# Altium PCB precursor_pvt2b.PcbDoc (part 7 of 7)
Units mm, origin at the board's own origin, x right, y up, seen from the top; angles counter-clockwise.
Board outline 62.8 x 62.65 mm, 6 copper layers (L1, L2, L3, L6, L7, L8), stack 0.693 mm thick; 424 components, 311 nets, 2038 pads, 2293 vias.
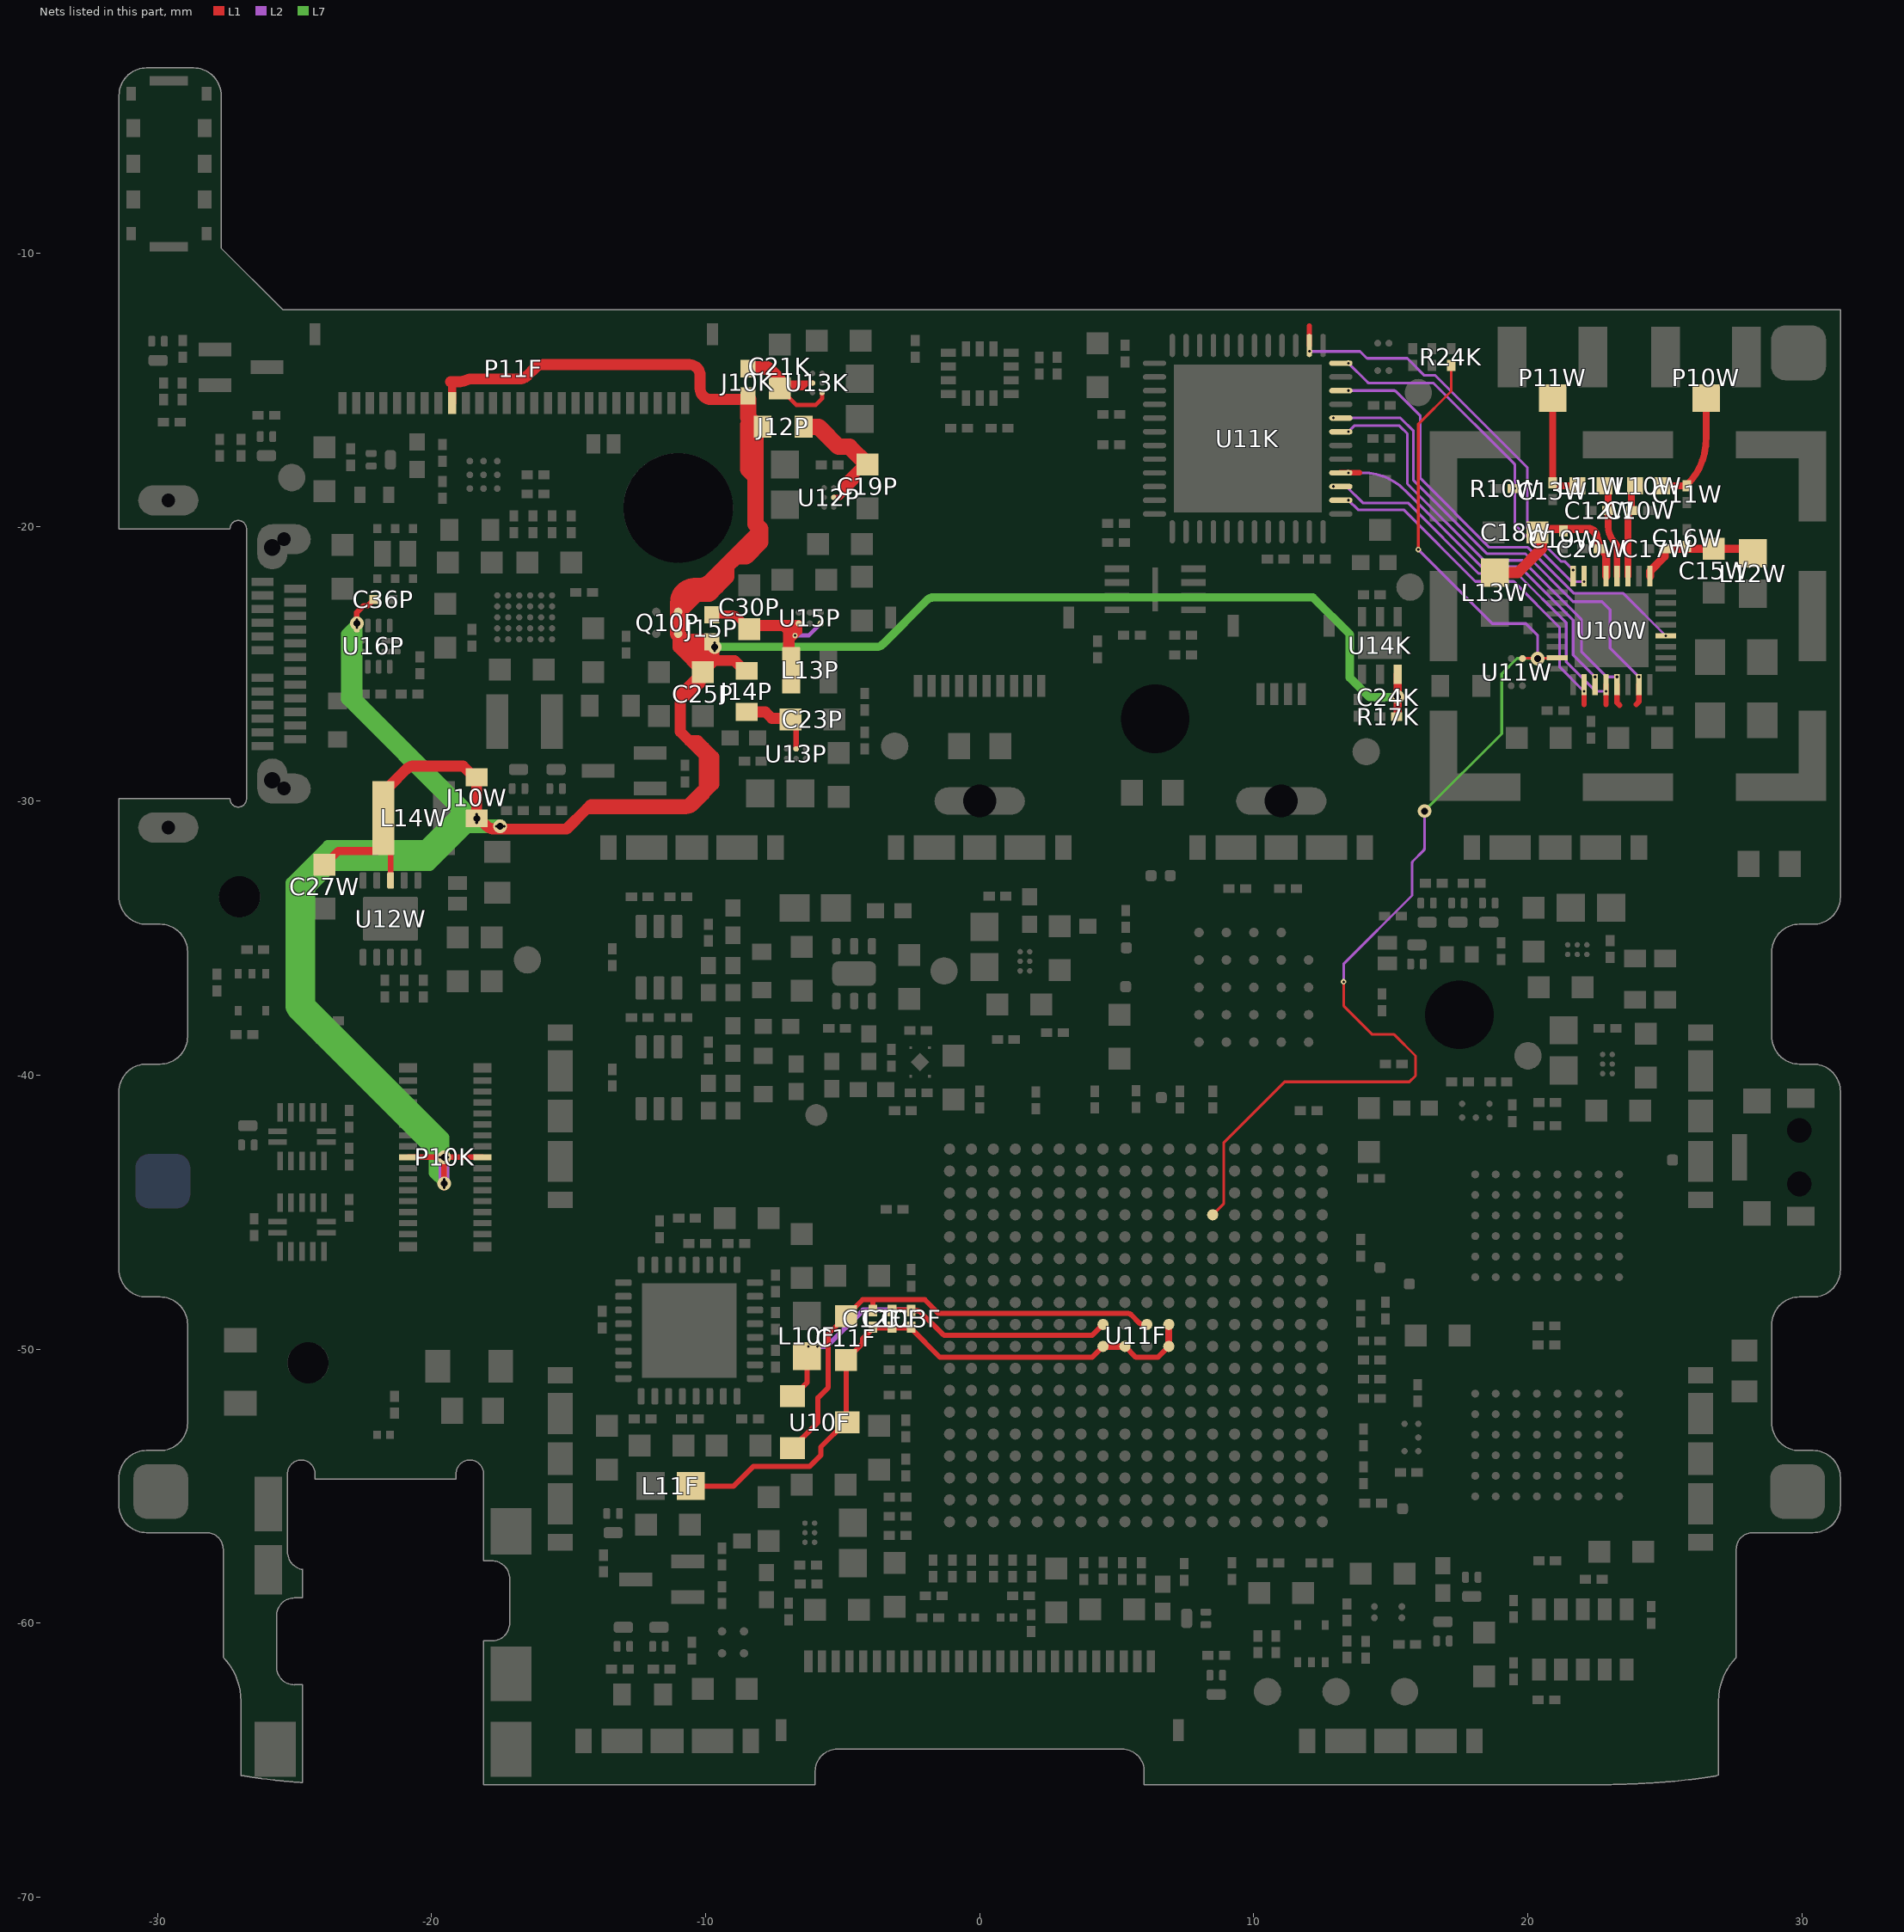
[diagram p11: the nets of this part, all layers, seen from the top]

## Via types
v1: diameter 0.2, hole 0.1, L1 to L2, tented both sides, 1440 vias
v2: diameter 0.5, hole 0.25, L2 to L7, tented both sides, 638 vias
v3: diameter 0.2, hole 0.1, L7 to L8, tented both sides, 179 vias
v4: diameter 0.5, hole 0.25, L1 to L8, 25 vias
v5: diameter 0.5, hole 0.25, L1 to L8, tented top, 5 vias
v6: diameter 0.5, hole 0.2, L1 to L8, 4 vias
v7: diameter 0.4, hole 0.25, L1 to L8, 2 vias

## Nets (pads, with @x,y where several pads share a name; then routed paths per layer and width w, separated by ;. In a path a pad name is that pad's centre, name@x,y a point inside that pad or via, vN(x,y) a via of type N, cw(c..) or ccw(c..) an arc to the next point about the centre after c; other vN are vias at no path point) (continued)
VSYS_U: C19P.1 C21K.1 C23P.1 C24K.1 C25P.1 C27W.1 C30P.1 C36P.1 J10K.1 J10W.1 J12P.1 J14P.1 J15P.1 L13P.1 L14W.1 P10K.8 P10K.23 P11F.9 Q10P.2 Q10P.3 R17K.1 U12P.B1 U12W.8 U13K.B1 U13K.C2 U13P.B1 U14K.6 U15P.A1 U15P.C1 U16P.12 | length 213.9
  L1 w0.15: C21K.1@-7.3,-14.95 -6.7,-15.55 -5.975,-15.55 -5.75,-15.325 U13K.C2@-5.75,-15.1
  L1 w0.2: U16P.12@-22.725,-23.6 v1(-22.725,-23.376) -22.725,-23.125 -22.475,-22.875 -22.325,-22.875 -22.1,-22.65 C36P.1@-22.075,-22.65 ; L14W.1@-21.975,-31.7 -21.75,-31.475 L14W.1@-21.75,-30.625 -21.496,-30.879 U12W.8@-21.496,-32.9 ; P10K.23@-20.855,-43 v1(-19.692,-43) v2(-19.542,-43) ; v1(-19.542,-44.108) v1(-19.542,-43.808) v2(-19.542,-43) ; P10K.8@-18.145,-43 v1(-19.392,-43) v2(-19.542,-43) ; C21K.1@-7.3,-14.95 C21K.1@-7.275,-14.925 ; C23P.1@-6.9,-27.025 -6.7,-27.225 U13P.B1@-6.7,-28.1 ; U13K.B1@-6.1,-14.75 -6.302,-14.75 ; U12P.B1@-5.325,-18.925 -5.1,-18.925 -4.98,-18.805 ; C19P.1@-4.42,-17.809 -4.434,-17.809 -4.98,-18.355 -4.98,-18.58 ; C19P.1@-4.1,-17.725 -4.5,-18.125 ; C24K.1@15.238,-26.213 C24K.1@15.25,-26.2 ; C21K.1@-7.275,-14.925 -7.1,-14.75 -6.302,-14.75 ; C21K.1@-7.275,-14.925 -6.477,-14.925 -6.302,-14.75 ; -4.98,-18.805 -4.5,-18.325 -4.5,-18.125 ; -4.98,-18.805 -4.98,-18.58 ; -4.98,-18.58 -4.708,-18.308 -4.683,-18.308 -4.5,-18.125
  L1 w0.25: -7.512,-23.525 -8.425,-23.525 -8.5,-23.6 -8.425,-23.675 -7.362,-23.675 ; -7.512,-23.525 U15P.A1@-6.6,-23.525 -6.6,-23.675 ; -7.512,-23.525 -7.362,-23.675 ; -7.362,-23.675 -7.187,-23.675 ; -7.187,-23.675 -7.042,-23.82 ; -7.187,-23.675 -6.7,-23.675 ; -7.05,-24.275 -7.05,-23.829 -7.042,-23.82 ; -7.05,-24.275 -7.05,-25.05 L13P.1@-6.875,-25.225 -6.875,-24.1 ; -7.05,-24.275 -6.875,-24.1 ; -7.042,-23.82 -6.896,-23.965 ; -6.896,-23.965 -6.896,-23.871 -6.7,-23.675 ; -6.896,-23.965 -6.875,-23.987 -6.875,-24.1 ; -6.896,-23.965 -6.896,-24.079 -6.875,-24.1 ; -6.875,-24.1 v1(-6.737,-23.963) -6.6,-23.825 -6.6,-23.675 ; -6.7,-23.675 -6.6,-23.675
  L1 w0.3: C27W.1@-23.9,-32.325 -23.395,-31.82 -22,-31.82 -21.975,-31.795 L14W.1@-21.975,-31.7 ; -19.3,-14.7 -19.25,-14.75 P11F.9@-19.25,-15.475 ; J15P.1@-9.679,-23.2 -9.049,-23.2 cw(c-9.049,-23.5) -8.836,-23.288 C30P.1@-8.685,-23.439 ; R17K.1@15.225,-26.925 15.24,-26.925 15.25,-26.915 15.25,-26.225 15.25,-26.2 U14K.6@15.25,-25.375
  L1 w0.4: L14W.1@-21.75,-30.625 -21.75,-29.675 L14W.1@-21.55,-29.475 ; L14W.1@-21.549,-29.474 -20.917,-28.842 cw(c-20.634,-29.125) -20.636,-28.725 -20.634,-28.725 -18.85,-28.725 -18.35,-29.225 v1(-18.35,-30.488) -18.35,-30.55 -17.992,-30.908 -17.991,-30.909 ccw(c-17.709,-30.625) -17.709,-31.025 -15.075,-31.025 -14.328,-30.278 ; -19.3,-14.7 -18.965,-14.7 ccw(c-18.965,-14.3) -18.838,-14.679 -18.663,-14.621 cw(c-18.535,-15) -18.534,-14.6 -16.791,-14.6 ccw(c-16.791,-14.2) -16.508,-14.483 -16.218,-14.193 cw(c-15.934,-14.475) -15.934,-14.075 -10.599,-14.075 cw(c-10.6,-14.475) -10.2,-14.475 -10.2,-14.95 ccw(c-9.8,-14.95) -9.8,-15.35 J10K.1@-8.45,-15.35 ; -10.775,-24.325 -10.7,-24.325 -10.125,-24.9 C25P.1@-9.7,-24.9 ; -10.163,-29.637 -10.657,-30.131 -14.181,-30.131 -14.328,-30.278 ; -10.05,-29.524 -10.05,-28.35 ; J15P.1@-9.725,-24.275 -9.725,-24.273 -9.731,-24.255 ccw(c-10.111,-24.38) -9.829,-24.096 -10.504,-24.096 ; J15P.1@-9.7,-24.255 C25P.1@-9.7,-24.9 ; J14P.1@-8.5,-26.75 -7.82,-26.75 -7.58,-26.99 -6.935,-26.99 C23P.1@-6.9,-27.025 ; J14P.1@-8.5,-25.25 -8.575,-25.25 -8.95,-24.875 -9.675,-24.875 C25P.1@-9.7,-24.9 ; C21K.1@-7.375,-15.025 C21K.1@-7.3,-14.95 ; C19P.1@-4.1,-17.725 C19P.1@-4.075,-17.75 ; -14.328,-30.278 -13.763,-30.278 -10.718,-30.278 ccw(c-10.718,-29.878) -10.435,-30.16 -10.05,-29.775 -10.05,-29.75 -9.7,-29.4 -9.7,-28.7 ; -10.925,-26.125 -10.625,-26.125 -10.2,-25.7 C25P.1@-10.2,-25.4 ; -10.925,-26.125 C25P.1@-10.2,-25.4 ; -10.925,-26.125 -10.925,-27.475 -10.6,-27.8 ; -10.6,-27.8 -10.284,-27.8 -10.05,-28.034 ; -10.6,-27.8 -10.05,-28.35 ; -10.504,-24.096 C25P.1@-9.7,-24.9 ; -10.504,-24.096 -10.804,-24.096 Q10P.3@-11,-23.9 -11,-24.4 C25P.1@-10.1,-25.3 ; C25P.1@-10.2,-25.4 C25P.1@-10.1,-25.3 ; C25P.1@-10.1,-25.3 C25P.1@-9.7,-24.9 ; -10.05,-28.35 -9.7,-28.7 ; -10.05,-28.35 -10.05,-28.034 ; -10.05,-28.034 -9.7,-28.384 -9.7,-28.7
  L1 w0.5: J10K.1@-8.3,-14.2 -7.75,-14.2 -7.3,-14.65 C21K.1@-7.3,-14.95
  L1 w0.6: Q10P.3@-11,-23.9 Q10P.2@-11,-23.1 ; -9.875,-22.162 -9.601,-22.162 ; -8.45,-16.275 -8.45,-17.9 -8.175,-18.175 ; J10K.1@-8.45,-15.35 -8.45,-16 -8.175,-16.275 -8.175,-18.175 ; -8.175,-20.35 -8.9,-21.075 ; J12P.1@-6.425,-16.35 -5.875,-16.35 -5.15,-17.075 -4.75,-17.075 C19P.1@-4.1,-17.725 ; Q10P.2@-11,-23.1 -11,-22.762 cw(c-10.4,-22.762) -10.4,-22.162 -10.236,-22.162 ccw(c-10.236,-21.562) -9.811,-21.986 -9.25,-21.425 ; Q10P.2@-11,-23.1 -10.335,-22.435 -9.875,-22.435 -9.601,-22.162 ; -9.601,-22.162 -9.25,-21.811 -9.25,-21.425 ; -9.25,-21.425 -8.9,-21.075 ; -8.9,-21.075 -8.526,-21.075 -8.012,-20.56 -8.012,-20.063 -8.175,-19.9 -8.175,-18.175
  L2 w0.15: v1(-6.737,-23.963) -6.238,-23.963 v1(-5.8,-23.525)
  L2 w0.4: v2(-19.542,-43.958) v1(-19.542,-43.808) v2(-19.542,-43)
  L7 w0.3: v2@-9.65,-24.375 -3.749,-24.375 ccw(c-3.749,-24.075) -3.537,-24.287 -1.913,-22.663 cw(c-1.701,-22.875) -1.701,-22.575 12.157,-22.575 13.5,-23.918 13.5,-25.5 14.206,-26.206 v2(15.244,-26.206)
  L7 w0.4: v2@-22.725,-23.6 -22.725,-26.263 -18.544,-30.444 ; v2(-22.725,-23.526) -23.1,-23.901 -23.1,-26.3 -19.013,-30.387 ; -19.9,-42.615 -19.9,-42.4 -24.8,-37.5 -24.8,-33.1 -23.7,-32 -20.2,-32 -19.013,-30.813 ; -19.784,-42.73 -19.55,-42.965 -19.55,-42.275 -24.45,-37.375 -24.45,-33.2 -23.6,-32.35 -20.062,-32.35 -18.635,-30.922 v2(-18.35,-30.638) -18.544,-30.444 ; v2(-19.542,-43.958) v2@-19.542,-43.931 ; v2(-19.542,-43) v2@-19.542,-43.931 ; v2@-19.542,-43.931 -19.9,-43.573 -19.9,-42.846 -20.016,-42.73 -25.008,-37.738 cw(c-24.725,-37.455) -25.125,-37.455 -25.125,-32.975 -23.775,-31.625 -20.252,-31.625 -19.013,-30.387 ; -19.013,-30.813 -18.644,-30.444 -18.544,-30.444 ; -19.013,-30.813 -19.013,-30.387
  L7 w0.5: -19.013,-30.813 -18.905,-30.922 -18.635,-30.922 v2(-17.493,-30.922)
  other v1: -17.643,-30.922 -17.343,-30.922 -18.35,-30.788 15.244,-26.356 15.244,-26.056 -9.669,-24.526 -9.669,-24.226 -22.725,-23.676
  other v2: -9.669,-24.376
WIFI_CIPO: U10W.28 U11K.27 | length 14.6
  L1 w0.2: 22.85,-26.475 U10W.28@22.85,-25.755
  L2 w0.1: v1(12.9,-18.525) 13.375,-18.525 13.975,-19.125 15.625,-19.125 18.2,-21.7 19.6,-21.7 21.4,-23.5 21.4,-24.925 22.475,-26 v1(22.85,-26)
WIFI_COPI: U10W.27 U11K.28 | length 13.5
  L1 w0.2: U11K.28@13.139,-18.027 13.859,-18.027
  L2 w0.1: v1(13.45,-18.025) 13.979,-18.025 ; 13.98,-18.025 cw(c13.98,-20.186) 15.507,-18.657 15.509,-18.659 18.302,-21.452 19.702,-21.452 21.65,-23.4 21.65,-24.675 v1(22.45,-25.475)
WIFI_CS: U10W.31 U11K.32 | length 17.7
  L1 w0.2: 23.95,-26.475 24.05,-26.375 U10W.31@24.05,-25.755
  L2 w0.1: v1(12.9,-16.025) 15.35,-16.025 15.825,-16.5 15.825,-18.3 18.5,-20.975 19.9,-20.975 21.65,-22.725 22.7,-22.725 23,-23.025 23,-24.425 v1(24.05,-25.475)
WIFI_LPCLK: R24K.1 U10W.23 U11F.N15 U11W.2 | length 45.9
  L1 w0.1: U11F.N15@8.5,-45.1 8.9,-44.7 8.9,-42.475 11.125,-40.25 15.675,-40.25 15.9,-40.025 15.9,-39.3 15.118,-38.518 14.318,-38.518 13.304,-37.504 cw(c13.375,-37.434) 13.275,-37.434 v1(13.275,-36.6) ; v1(16,-20.825) 16,-16.25 17.2,-15.05 R24K.1@17.2,-14.125 ; U11W.2@19.8,-24.8 19.812,-24.787 21.057,-24.787 U10W.23@21.07,-24.775
  L2 w0.1: v1(13.275,-36.6) 13.275,-35.95 15.775,-33.45 15.775,-32.266 cw(c15.875,-32.266) 15.804,-32.196 16.196,-31.804 ccw(c16.125,-31.734) 16.225,-31.734 v2(16.225,-30.368) ; v1(16,-20.825) 18.7,-23.525 19.925,-23.525 20.35,-23.95 v2(20.35,-24.8)
  L7 w0.1: v2(16.225,-30.368) 19.042,-27.551 19.042,-25.358 19.6,-24.8 v2(20.35,-24.8)
  other v1: 16.225,-30.368 20.35,-24.8
WIFI_PA: C18W.1 C19W.1 C20W.1 L13W.1 U10W.13 | length 6.4
  L1 w0.3: C18W.1@20.5,-20.2 20.5,-20.175 20.6,-20.075 21.3,-20.075 22.201,-20.075 cw(c22.201,-20.375) 22.491,-20.299 22.625,-20.8 22.65,-20.8 22.85,-21 U10W.13@22.85,-21.795
  L1 w0.4: L13W.1@18.8,-21.665 19.635,-21.665 20.5,-20.8 C18W.1@20.5,-20.2
WIFI_PA_ENABLE: U10W.4 U11K.34 | length 16.6
  L2 w0.1: v1(13.45,-15.025) 15.109,-15.025 cw(c15.109,-15.125) 15.179,-15.054 16.075,-15.95 16.075,-18.225 18.595,-20.745 19.995,-20.745 21.675,-22.425 23.48,-22.425 v1(25.03,-23.975)
WIFI_RES_N: R10W.2 U10W.15 U11K.36 | length 13.2
  L2 w0.1: v1(13.45,-14.025) 14.146,-14.721 ccw(c14.216,-14.65) 14.216,-14.75 16.556,-14.75 19.496,-17.69 cw(c19.425,-17.761) 19.525,-17.761 v1(19.525,-18.598) 19.525,-19.884 ccw(c19.625,-19.884) 19.554,-19.954 21.6,-22 v1(22.05,-22)
WIFI_RF: C15W.1 C16W.1 C17W.1 L12W.1 U10W.9 | length 4.5
  L1 w0.3: U10W.9@24.45,-21.795 24.45,-21.615 24.99,-21.075 24.99,-20.81 25,-20.8 25.025,-20.8 28.035,-20.8 L12W.1@28.2,-20.965
WIFI_RF1: C10W.1 L10W.1 U10W.11 | length 3.4
  L1 w0.243: U10W.11@23.65,-21.795 23.65,-19.702 cw(c24.077,-19.702) 23.775,-19.4 23.775,-18.826 cw(c24.236,-18.826) L10W.1@23.91,-18.5
WIFI_RF1L: C11W.1 L10W.2 P10W.SIG | length 4.3
  L1 w0.243: L10W.2@24.89,-18.5 25.74,-18.5 ccw(c25.74,-18.415) 25.8,-18.475 ccw(c24.11,-16.785) 26.5,-16.785 P10W.SIG@26.5,-15.3
WIFI_RF2: C12W.1 L11W.1 U10W.12 | length 3.4
  L1 w0.243: L11W.1@22.79,-18.5 cw(c22.464,-18.826) 22.925,-18.826 22.925,-19.4 22.925,-19.971 ccw(c23.779,-19.971) 23.175,-20.575 cw(c22.994,-20.756) 23.25,-20.756 U10W.12@23.25,-21.795
WIFI_RF2L: C13W.1 L11W.2 P11W.SIG | length 4
  L1 w0.243: P11W.SIG@20.9,-15.3 20.9,-18.375 ccw(c21.202,-18.073) 21.202,-18.5 L11W.2@21.81,-18.5
WIFI_SCLK: U10W.26 U11K.26 | length 13.1
  L1 w0.2: 22.05,-26.475 U10W.26@22.05,-25.755
  L2 w0.1: v1(13.45,-19.025) 13.8,-19.375 15.466,-19.375 18.08,-21.989 19.48,-21.989 21.15,-23.659 21.15,-25.1 v1(22.05,-26)
WIFI_WIRQ: U10W.29 U11K.31 | length 16.2
  L1 w0.2: U10W.29@23.25,-25.755 23.25,-26.412 23.34,-26.502
  L2 w0.1: v1(13.45,-16.525) 13.646,-16.329 cw(c13.716,-16.4) 13.716,-16.3 15.259,-16.3 cw(c15.259,-16.4) 15.329,-16.329 15.6,-16.6 15.6,-18.425 18.397,-21.222 19.797,-21.222 21.95,-23.375 21.95,-24.55 22.875,-25.475 v1(23.25,-25.475)
WIFI_WUP: U10W.16 U11K.38 | length 14.9
  L1 w0.2: U11K.38@12.026,-13.377 12.026,-12.676
  L2 w0.1: v1(12.031,-13.592) 12.039,-13.6 13.876,-13.6 14.096,-13.821 ccw(c14.167,-13.75) 14.167,-13.85 15.6,-13.85 16.221,-14.471 16.621,-14.471 19.975,-17.825 19.975,-20.031 21.203,-21.258 21.333,-21.258 v1(21.65,-21.575)
XADC_GND: C10F.2 C11F.2 C12F.2 C13F.2 L11F.2 U10F.3 U11F.H9 U11F.J9 U11F.L9 U11F.L10 | length 23.2
  L1 w0.19: L11F.2@-10.54,-55 -8.975,-55 -8.25,-54.275 -6.2,-54.275 -5.8,-53.875 -5.8,-53.575 -4.9,-52.675 -4.85,-52.675 -4.875,-52.65 C11F.2@-4.875,-50.4 -4.267,-49.793 -4.267,-49.617 -3.9,-49.25 -3.9,-49.225 -2.5,-49.225 -2.5,-49.25 -1.45,-50.3 0.274,-50.3 0.334,-50.3 4.1,-50.3 U11F.H9@4.5,-49.9 ; U11F.J9@5.3,-49.9 5.7,-50.3 6.5,-50.3 U11F.L9@6.9,-49.9
  L1 w0.25: U11F.H9@4.5,-49.9 U11F.J9@5.3,-49.9 ; U11F.L9@6.9,-49.9 U11F.L10@6.9,-49.1
XADC_VDD: C10F.1 C13F.1 L10F.2 U10F.1 U11F.H10 | length 14.2
  L1 w0.19: U10F.1@-6.85,-51.725 -6.8,-51.725 -6.3,-51.225 L10F.2@-6.3,-50.26 ; v1(-3.2,-48.575) v1(-2.5,-48.575) ; C13F.1@-2.5,-48.595 -2.29,-48.595 cw(c-2.29,-48.785) -2.155,-48.651 -1.362,-49.444 ccw(c-1.228,-49.31) -1.228,-49.5 2.753,-49.5 4.1,-49.5 U11F.H10@4.5,-49.1
  L2 w0.19: v1(-6.25,-49.9) v1(-5.925,-49.9) -5.575,-49.9 -4.25,-48.575 v1(-3.2,-48.575) v1(-2.5,-48.575)
XADC_VREF: C11F.1 C12F.1 U10F.2 U11F.K10 | length 17.6
  L1 w0.19: U10F.2@-6.8,-53.625 -6.495,-53.32 -6.495,-53.27 -5.9,-52.675 -5.9,-51.775 -5.525,-51.4 -5.525,-49.45 C11F.1@-4.875,-48.8 -4.27,-48.195 -3.895,-48.195 ; C12F.1@-3.9,-48.575 -3.9,-48.2 -3.895,-48.195 ; U11F.K10@6.1,-49.1 5.954,-49.1 cw(c5.954,-48.91) 5.819,-49.044 5.531,-48.756 ccw(c5.396,-48.89) 5.396,-48.7 1.134,-48.7 -0.2,-48.7 -1.5,-48.7 -2.005,-48.195 -3.895,-48.195
pads on no net: P10K.0 P10P.A2 P10P.A3 P10P.A8 P10P.A10 P10P.A11 P10P.B2 P10P.B3 P10P.B8 P10P.B10 P10P.B11 P10U.5 P10U.6 P11F.0 P11P.0 P12F.0 P12F.10 P12F.15 P12W.0 P13W.0 SW10K.0 SW10K.1 U10K.9 U10U.13 U10U.15 U10U.32 U10W.1 U10W.2 U10W.3 U10W.5 U10W.6 U10W.17 U10W.18 U10W.19 U10W.20 U10W.21 U10W.22 U10W.24 U11F.A6 U11F.A9 U11F.A10 U11F.A11 U11F.B11 U11F.C9 U11F.C10 U11F.C11 U11F.D2 U11F.D5 U11F.D6 U11F.D10 U11F.D11 U11F.E1 U11F.E2 U11F.E3 U11F.E4 U11F.E5 U11F.E6 U11F.F1 U11F.F3 U11F.F4 U11F.F5 U11F.F6 U11F.G1 U11F.G5 U11F.G6 U11F.G16 U11F.H2 U11F.H3 U11F.H4 U11F.H5 U11F.H6 U11F.H13 U11F.J1 U11F.J2 U11F.J3 U11F.J4 U11F.J5 U11F.J13 U11F.J15 U11F.J16 U11F.K13 U11F.K14 U11F.K16 U11F.N13 U11F.P13 U11F.R11 U11F.R12 U11F.T11 U11F.T12 U11K.39 U11K.40 U11K.41 U11R.0 U12M.A2 U12M.A3 U12M.B1 U12M.B5 U12M.C5 U14K.2 U14W.9 U14W.10 U14W.11 U17P.B5 U17P.D4 U17P.D5 U18F.5 U18F.9 U18F.10 Y10W.2 Y10W.4

## Polygon pours and split planes (outlines as drawn)
VSYS_T on L7 "VSYS_T_L05_P002" (solid, remove dead copper, pour order 2): -9.85,-58.325 -8.664,-58.325 ccw(c-8.664,-57.386) -8,-58.05 ccw(c-9.293,-56.305) -7.145,-56.625 -7.145,-54.17 cw(c0.44,-54.062) -5,-48.775 ccw(c-9.582,-46.557) -4.5,-46.851 -4.5,-40.038 cw(c-2.537,-40.038) -3.925,-38.65 cw(c-3.261,-39.314) -3.261,-38.375 -0.427,-38.375 ccw(c-0.427,-35.835) 1.369,-37.631 2.025,-36.975 cw(c3.172,-38.122) 3.172,-36.5 13.556,-36.5 ccw(c13.64,-34.846) 14.75,-36.075 cw(c15.6,-37.102) 15.725,-35.775 18.375,-35.775 cw(c18.056,-37.567) 19.549,-36.526 19.777,-36.975 ccw(c20.348,-36.108) 20.557,-37.125 23.55,-37.125 ccw(c23.55,-36.22) 24.19,-36.86 ccw(c23.442,-36.112) 24.5,-36.112 24.5,-34.27 ccw(c23.306,-34.27) 24.15,-33.425 ccw(c23.849,-33.726) 23.848,-33.3 15.061,-33.3 ccw(c15.061,-34.836) 13.975,-33.75 13.916,-33.809 cw(c12.55,-32.444) 12.55,-34.375 7.499,-34.375 cw(c7.499,-33.351) 6.775,-34.075 ccw(c6.353,-34.497) 6.353,-33.9 3.785,-33.9 ccw(c3.784,-35.009) 3,-34.225 cw(c1.853,-33.079) 1.853,-34.7 1.377,-34.7 ccw(c1.377,-37.239) -0.419,-35.444 -1.939,-36.964 cw(c-2.75,-36.154) -2.75,-37.3 -4.578,-37.3 ccw(c-4.578,-37.897) -5,-37.475 -5.392,-37.867 ccw(c-3.984,-39.275) -5.975,-39.275 -5.975,-45.448 cw(c-6.401,-45.449) -6.1,-45.75 -9.198,-48.848 ccw(c-8.772,-49.275) -9.375,-49.275 -9.375,-55.259 cw(c-9.716,-55.259) -9.475,-55.5 -10.137,-56.162 ccw(c-9.924,-56.375) -10.225,-56.375 -10.225,-57.994 ccw(c-9.969,-57.994) -10.15,-58.175 -10.106,-58.219 ccw(c-9.85,-57.963)
P0.95V_T on L7 "P0.95V_T_L05_P000" (solid, remove dead copper, pour order 0): -0.625,-52 0.45,-50.925 0.45,-47.875 1.45,-46.875 9.55,-46.875 10.375,-47.7 10.375,-50.425 9.55,-51.25 9.55,-51.9 8.775,-52.675 7.5,-52.675 6.9,-52.075 5.55,-52.075 4.575,-53.05 4.575,-57.225 3.95,-57.85 3.95,-58.825 4.475,-59.35 4.475,-59.9 2.2,-59.9 1.825,-59.525 -2.175,-59.525 -4.3,-57.4 -5.025,-57.4 -5.825,-56.6 -5.825,-55.65 -4.725,-54.55 -4.725,-53.425 -3.3,-52
PACK_P on L2 "PACK_P_L02_P005" (solid, remove dead copper, pour order 5): -30,-8 -30.75,-8.75 -30.75,-11 -29.5,-12.25 -28.25,-12.25 -28,-12 -28,-9 -29,-8
P3.3V_A on L2 "P3.3V_A_L02_P001" (solid, remove dead copper, pour order 1): 0.275,-51.925 -0.7,-51.925 -1.525,-52.75 -1.525,-54.3 0.75,-56.575 2.451,-56.575 3.975,-55.051 3.975,-53.649 2.756,-52.43 0.78,-52.43
GND on L8 "GND_L06_P003" (solid, remove dead copper, pour order 3): -32.025,-3.025 -31.175,-2.175 31.4,-2.175 31.4,-64.025 29.55,-65.875 -30.025,-65.875 -31.45,-64.45 -31.35,-64.35 -31.35,-3.7
PACK_P on L1 "PACK_P_L01_P004" (solid, remove dead copper, pour order 4): -31,-7.6 -31,-10.45 -29.25,-12.2 -27.825,-12.2 -26.563,-10.938 -27.5,-10 -27.5,-7.727 -27.627,-7.6
P1.8V on L6 (split plane): 1372 vertices, not listed, extent -31.149,-65.648 31.149,-3.501
P3.3V on L6 (split plane): -13.327,-15.867 -13.327,-16.633 -15.092,-18.398 -20.525,-18.398 -20.564,-18.406 -20.597,-18.428 -20.972,-18.803 -20.994,-18.836 -21.002,-18.875 -21.002,-37.1 -20.994,-37.139 -20.972,-37.172 -20.272,-37.872 -20.239,-37.894 -20.2,-37.902 -18,-37.902 -17.961,-37.894 -17.928,-37.872 -12.876,-32.82 -8.218,-32.82 -8.179,-32.813 -8.146,-32.79 -7.628,-32.272 -7.606,-32.239 -7.598,-32.2 -7.598,-28.442 -6.758,-27.602 -5.442,-27.602 -4.502,-28.542 -4.502,-31.2 -4.494,-31.239 -4.472,-31.272 -3.272,-32.472 -3.239,-32.494 -3.2,-32.502 3.9,-32.502 3.939,-32.494 3.972,-32.472 5.642,-30.802 12.4,-30.802 12.439,-30.794 12.472,-30.772 15.972,-27.272 15.994,-27.239 16.002,-27.2 16.002,-25.542 16.442,-25.102 17.058,-25.102 17.298,-25.342 17.298,-29.458 15.778,-30.978 15.128,-31.628 14.043,-32.713 6.785,-32.713 6.746,-32.72 6.713,-32.743 4.658,-34.798 -9.13,-34.798 -9.45,-34.478 -9.483,-34.456 -9.522,-34.448 -10.5,-34.448 -10.539,-34.456 -10.572,-34.478 -10.922,-34.828 -12.872,-36.778 -15.122,-39.028 -15.144,-39.061 -15.152,-39.1 -15.152,-42.876 -18.903,-42.876 -18.942,-42.884 -18.975,-42.906 -21.842,-45.773 -23.483,-45.773 -23.848,-45.408 -23.848,-42.4 -23.848,-33.773 -22.928,-32.853 -22.906,-32.82 -22.898,-32.781 -22.898,-19.654 -22.906,-19.615 -22.928,-19.582 -23.457,-19.053 -23.49,-19.031 -23.529,-19.023 -24.258,-19.023 -24.298,-18.983 -24.298,-18.467 -24.133,-18.302 -22.65,-18.302 -22.611,-18.294 -22.578,-18.272 -21.008,-16.702 -18.925,-16.702 -18.886,-16.694 -18.853,-16.672 -16.733,-14.552 -14.642,-14.552
P1.8V_T on L6 (split plane): 15.528,-32.172 15.561,-32.194 15.6,-32.202 23.258,-32.202 24.798,-33.742 24.798,-37.998 20.9,-37.998 20.861,-38.006 20.828,-38.028 18.758,-40.098 17,-40.098 16.961,-40.106 16.928,-40.128 16.678,-40.378 16.656,-40.411 16.648,-40.45 16.648,-42.6 16.648,-49.483 15.178,-50.953 15.156,-50.986 15.148,-51.025 15.148,-53.25 15.156,-53.289 15.178,-53.322 17.689,-55.833 20.078,-58.222 20.111,-58.244 20.15,-58.252 21.898,-58.252 21.898,-61.458 20.858,-62.498 -13.558,-62.498 -14.948,-61.108 -14.948,-39.142 -12.728,-36.922 -10.778,-34.972 -10.458,-34.652 -9.564,-34.652 -9.244,-34.972 -9.211,-34.994 -9.172,-35.002 4.7,-35.002 4.739,-34.994 4.772,-34.972 6.828,-32.917 14.085,-32.917 14.124,-32.909 14.157,-32.887 15.2,-31.844
P3.3V_A on L6 (split plane): 4.398,-37.992 4.398,-40.925 4.406,-40.964 4.428,-40.997 5.353,-41.922 5.723,-42.292 5.723,-43.633 4.658,-44.698 3.34,-44.698 3.301,-44.706 3.268,-44.728 2.648,-45.348 0.625,-45.348 0.586,-45.356 0.553,-45.378 -0.567,-46.498 -2.212,-46.498 -2.251,-46.506 -2.284,-46.528 -2.399,-46.643 -2.414,-46.653 -3.072,-47.311 -3.094,-47.344 -3.102,-47.383 -3.102,-48.5 -3.102,-50.3 -3.094,-50.339 -3.072,-50.372 -2.672,-50.772 -2.639,-50.794 -2.6,-50.802 -0.842,-50.802 0.706,-52.35 0.058,-52.998 -1.358,-52.998 -2.228,-52.128 -2.261,-52.106 -2.3,-52.098 -3.6,-52.098 -3.639,-52.106 -3.672,-52.128 -6.122,-54.578 -6.144,-54.611 -6.152,-54.65 -6.152,-57.35 -6.144,-57.389 -6.122,-57.422 -4.047,-59.497 -4.014,-59.519 -3.975,-59.527 3.033,-59.527 3.503,-59.997 3.536,-60.019 3.575,-60.027 4.4,-60.027 4.439,-60.019 4.472,-59.997 4.647,-59.822 4.669,-59.789 4.677,-59.75 4.677,-59.175 4.669,-59.136 4.647,-59.103 4.327,-58.783 4.327,-58.5 4.327,-57.325 4.319,-57.286 4.297,-57.253 3.002,-55.958 3.002,-54.542 3.342,-54.202 4.838,-54.202 4.838,-55.44 4.845,-55.479 4.867,-55.512 6.398,-57.042 6.398,-59.758 5.378,-60.778 4.958,-61.198 2.699,-61.198 2.279,-60.778 2.246,-60.756 2.206,-60.748 -5.21,-60.748 -8.901,-57.058 -8.901,-55.747 -8.908,-55.708 -8.93,-55.675 -10.653,-53.953 -10.686,-53.931 -10.725,-53.923 -12.408,-53.923 -13.273,-53.058 -13.273,-52.419 -12.856,-52.002 -10.125,-52.002 -10.086,-51.994 -10.053,-51.972 -8.553,-50.472 -8.531,-50.439 -8.523,-50.4 -8.523,-46.875 -8.531,-46.836 -8.553,-46.803 -9.673,-45.683 -9.673,-44.717 -9.258,-44.302 -7.2,-44.302 -7.161,-44.294 -7.128,-44.272 -3.728,-40.872 -2.858,-40.002 -1.25,-40.002 -1.211,-39.994 -1.178,-39.972 -0.803,-39.597 -0.781,-39.564 -0.773,-39.525 -0.773,-37.342 -0.433,-37.002 3.408,-37.002